# Altium PCB LOAPAY_V6.6.8.PcbDoc (part 2 of 2) (continued)
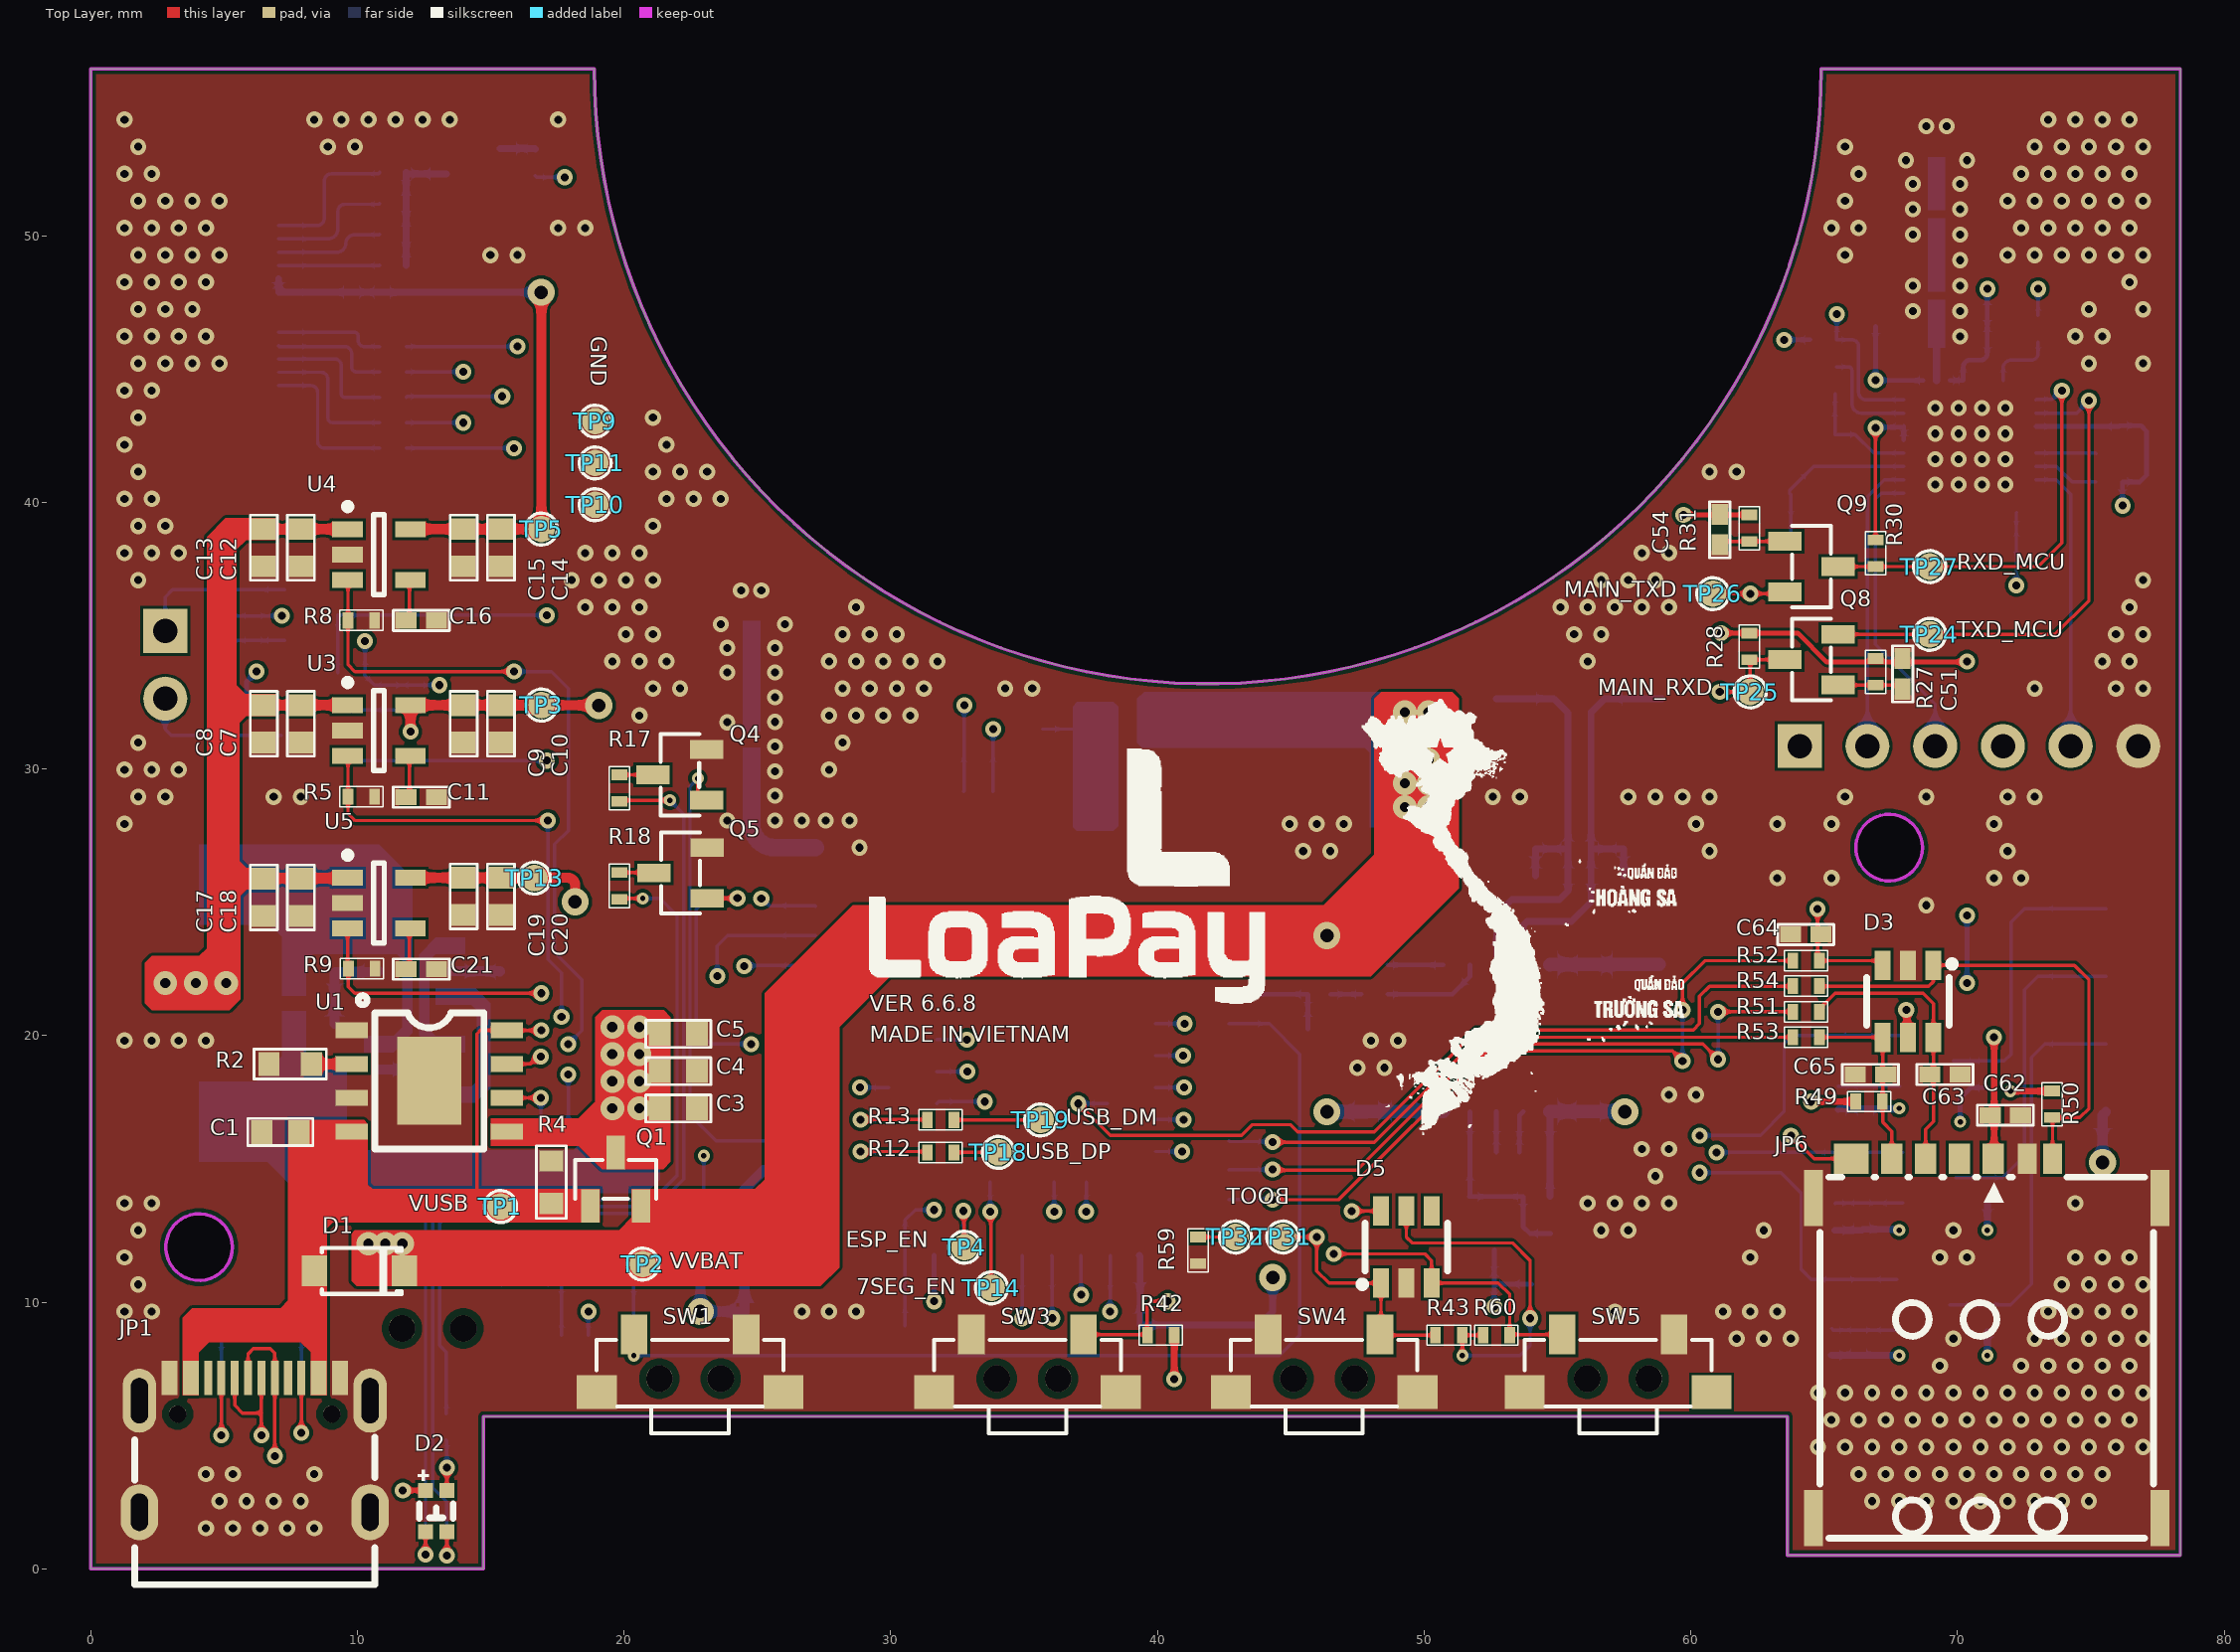
[diagram p0: Top Layer view]
## Nets (pads, with @x,y where several pads share a name; then routed paths per layer and width w, separated by ;. In a path a pad name is that pad's centre, name@x,y a point inside that pad or via, vN(x,y) a via of type N, cw(c..) or ccw(c..) an arc to the next point about the centre after c; other vN are vias at no path point) (continued)
  Layer 1 w0.127: v2(36.068,9.398) 36.703,8.763 50.419,8.763 52.832,11.176 59.182,11.176 61.976,13.97 61.976,31.115 61.087,32.004 v2(61.087,32.893)
  Bottom Layer w0.127: U6.17@36.028,11.751 36.048,11.731 36.048,9.418 v2(36.068,9.398)
NetQ9_2: Q9.2 TP26.1 U6.18 | length 57.7
  Top Layer w0.127: TP26.1@60.833,36.576 v2(62.23,36.576) 63.46,36.576 Q9.2@63.526,36.642
  Layer 1 w0.127: v2(34.925,9.398) 35.814,8.509 50.546,8.509 52.959,10.922 59.309,10.922 62.23,13.843 v2(62.23,36.576)
  Bottom Layer w0.127: v2(34.925,9.398) 34.927,9.4 U6.18@34.928,11.751 U6.18@34.928,11.751
NetQ10_1: Q10.1 R39.2 | length 1.3
  Bottom Layer w0.254: Q10.1@15.341,53.274 16.651,53.274 cw(c16.651,53.256) R39.2@16.669,53.256
NetQ10_3: Q10.3 R34.1 R35.1 R36.1 R37.1 | length 5
  Bottom Layer w0.254: R34.1@11.828,48.895 R35.1@11.828,50.058 R36.1@11.828,51.22 R37.1@11.828,52.383 ccw(c11.887,52.383) 11.887,52.324 Q10.3@13.341,52.324
NetQ11_2: Q11.2 TP28.1 U6.31 | length 63.2
  Layer 1 w0.127: v2(24.511,22.606) 25.019,22.098 30.607,22.098 32.004,20.701 32.004,17.145 33.528,15.621 38.735,15.621 39.37,14.986 39.37,9.779 39.878,9.271 50.184,9.271 52.597,11.684 58.801,11.684 60.325,13.208 v2(60.325,14.859)
  Bottom Layer w0.127: v2(24.511,22.606) 24.533,22.628 27.156,22.628 U6.31@27.178,22.651 ; v2(60.325,14.859) 63.373,14.859 64.135,14.097 64.135,11.237 64.516,10.856 Q11.2@67.723,10.856
NetQ12_2: Q12.2 TP29.1 U6.32 | length 64.1
  Layer 1 w0.127: v2(23.495,22.225) 23.876,21.844 30.48,21.844 31.75,20.574 31.75,17.018 33.401,15.367 38.608,15.367 39.116,14.859 39.116,9.652 39.751,9.017 50.292,9.017 52.705,11.43 59.055,11.43 60.96,13.335 v2(60.96,15.621)
  Bottom Layer w0.127: v2(23.495,22.225) 23.495,23.368 23.878,23.751 U6.32@27.178,23.751 ; v2(60.96,15.621) TP29.1@65.532,15.621 Q12.2@67.945,15.621
NetQ13_2: Q13.2 TP30.1 U6.33 | length 58.7
  Layer 1 w0.127: v2(25.146,25.146) 60.739,25.146 61.722,24.163 61.722,16.764 61.214,16.256 v2(60.325,16.256)
  Bottom Layer w0.127: v2(25.146,25.146) 25.182,25.146 25.457,24.872 27.158,24.872 U6.33@27.178,24.851 ; v2(60.325,16.256) 62.611,16.256 63.5,17.145 63.5,19.685 63.815,20 Q13.2@67.844,20
NetR2_2: R2.2 U1.2 | length 1.4
  Top Layer w0.381: R2.2@8.392,18.935 U1.2@9.789,18.935
NetR3_2: R3.2 U2.2 | length 1.8
  Bottom Layer w0.381: U2.2@13.495,22.418 13.499,22.415 15.337,22.415 R3.2@15.34,22.411
NetR5_2: R5.2 TP4.1 U3.3 U6.20 | length 42.2
  Top Layer w0.127: U3.3@9.634,30.497 9.648,30.483 R5.2@9.648,28.968 9.648,28.325 9.906,28.067 v2(17.145,28.067) ; v2(32.728,13.424) 32.747,13.405 32.747,12.084 TP4.1@32.766,12.065
  Layer 1 w0.127: v2(17.653,20.701) 18.288,21.336 30.226,21.336 31.242,20.32 31.242,16.764 32.728,15.278 v2(32.728,13.424)
  Bottom Layer w0.127: v2(17.145,28.067) 17.145,22.86 17.653,22.352 v2(17.653,20.701) ; U6.20@32.728,11.751 v2(32.728,13.424)
NetR8_2: R8.2 TP12.1 U4.3 U6.22 | length 52.5
  Top Layer w0.127: U4.3@9.634,37.095 9.648,37.081 R8.2@9.648,35.572 9.648,33.913 9.906,33.655 v2(15.875,33.655)
  Layer 1 w0.127: v2(17.907,19.685) 17.936,19.714 17.936,20.095 18.923,21.082 30.099,21.082 30.988,20.193 30.988,16.637 31.623,16.002 v2(31.623,13.462)
  Bottom Layer w0.127: v2(15.875,33.655) 17.272,33.655 17.907,33.02 17.907,27.686 17.399,27.178 17.399,23.114 18.415,22.098 18.415,20.193 v2(17.907,19.685) ; TP12.1@30.53,9.116 30.53,11.749 U6.22@30.528,11.751 30.536,11.76 30.536,13.081 30.917,13.462 v2(31.623,13.462)
NetR9_2: R9.2 TP14.1 U5.3 U6.57 | length 36.6
  Top Layer w0.127: U5.3@9.634,24.02 9.634,22.545 R9.2@9.662,22.516 9.662,21.834 9.906,21.59 v2(16.891,21.59) ; v2(33.728,13.389) 33.755,13.362 33.755,10.568 TP14.1@33.782,10.541
  Layer 1 w0.127: v2(16.891,21.59) 30.353,21.59 31.496,20.447 31.496,16.891 33.728,14.659 v2(33.728,13.389)
  Bottom Layer w0.127: v2(33.728,13.389) U6.57@33.728,14.501
NetR12_1: R12.1 TP18.1 | length 1.7
  Top Layer w0.127: R12.1@32.369,15.621 TP18.1@34.036,15.621
NetR13_1: R13.1 TP19.1 | length 3.3
  Top Layer w0.127: R13.1@32.369,16.837 TP19.1@35.62,16.837
NetR16_1: R16.1 U1.7 | length 30.2
  Top Layer w0.127: U1.7@15.606,18.935 16.473,18.935 16.748,19.21 v2(16.876,19.21)
  Layer 1 w0.127: v2(16.876,19.21) 16.876,18.557 17.653,17.78 17.653,15.621 18.288,14.986 22.479,14.986 v4(22.987,15.494)
  Bottom Layer w0.127: R16.1@13.335,5.826 13.335,8.128 13.081,8.382 13.081,12.954 13.462,13.335 22.352,13.335 22.987,13.97 v4(22.987,15.494)
NetR21_2: R21.2 U7.7 | length 3.8
  Bottom Layer w0.178: R21.2@48.641,21.551 51.065,21.551 51.718,22.204 U7.7@51.718,22.654
NetR22_2: R22.2 U7.6 | length 2.1
  Bottom Layer w0.178: R22.2@48.641,22.651 50.715,22.651 U7.6@50.718,22.654
NetR25_1: R25.1 U8.31 | length 4
  Bottom Layer w0.127: R25.1@65.473,45.085 65.913,45.085 cw(c65.913,44.958) 66.04,44.958 66.04,43.709 ccw(c66.399,43.709) 66.399,43.349 U8.31@67.987,43.349
NetR29_2: R29.2 U8.7 | length 2.5
  Bottom Layer w0.127: U8.7@71.715,44.577 71.715,45.045 cw(c72.009,45.045) 72.009,45.339 72.771,45.339 ccw(c72.771,45.593) 73.025,45.593 R29.2@73.025,46.007
NetR38_2: R38.2 U6.15 | length 23.5
  Layer 1 w0.127: v2(18.669,9.652) 19.812,10.795 35.56,10.795 36.703,9.652 v2(38.227,9.652)
  Bottom Layer w0.127: R38.2@18.653,8.763 18.653,9.636 v2(18.669,9.652) ; v2(38.227,9.652) U6.15@38.228,11.751
NetR39_1: R39.1 U6.54 | length 80.9
  Layer 1 w0.127: v2(17.78,52.197) 13.589,52.197 13.208,51.816 13.208,42.545 13.716,42.037 13.716,14.859 14.097,14.478 23.114,14.478 23.749,15.113 23.749,20.066 24.143,20.46 29.959,20.46 30.492,19.927 30.492,13.196 31.242,12.446 36.379,12.446 v2(37.333,13.4)
  Bottom Layer w0.127: R39.1@16.669,52.256 16.728,52.197 v2(17.78,52.197) ; U6.54@37.328,14.501 37.333,14.496 v2(37.333,13.4)
NetR44_1: R44.1 U1.6 U6.55 | length 37.8
  Top Layer w0.127: U1.6@15.606,17.665 v2(16.879,17.665)
  Layer 1 w0.127: v2(16.879,17.665) 17.399,17.145 17.399,15.494 18.161,14.732 22.987,14.732 23.495,15.24 23.495,20.193 24.068,20.766 30.034,20.766 30.735,20.065 30.735,13.335 31.37,12.7 34.413,12.7 35.115,13.402 v2(36.128,13.402)
  Bottom Layer w0.127: R44.1@16.867,16.617 16.879,16.629 v2(16.879,17.665) ; v2(36.128,13.402) U6.55@36.128,14.501
NetR51_1: R51.1 U6.12 | length 25.2
  Top Layer w0.127: v2(44.323,14.986) 44.358,14.951 47.487,14.951 52.221,19.685 60.452,19.685 v2(61.028,19.109) ; v2(61.028,20.896) R51.1@63.824,20.896
  Bottom Layer w0.127: U6.12@42.678,14.951 42.696,14.968 44.305,14.968 v2(44.323,14.986) ; v2(61.028,19.109) v2(61.028,20.896)
NetR52_1: R52.1 U6.13 | length 26.9
  Top Layer w0.127: v2(44.323,13.843) 46.793,13.843 52.381,19.431 59.309,19.431 v2(59.69,19.05) ; v2(59.69,20.955) 59.69,21.971 60.528,22.809 R52.1@63.824,22.809
  Bottom Layer w0.127: U6.13@42.678,13.851 42.682,13.847 44.319,13.847 v2(44.323,13.843) ; v2(59.69,19.05) v2(59.69,20.955)
NetR53_1: R53.1 U6.11 | length 22.8
  Top Layer w0.127: v2(44.323,16.002) 48.133,16.002 52.07,19.939 R53.1@63.824,19.939
  Bottom Layer w0.127: U6.11@42.678,16.051 42.703,16.027 44.298,16.027 v2(44.323,16.002)
NetR54_1: R54.1 U6.79 | length 31.5
  Top Layer w0.127: v2(37.032,17.451) 38.227,16.256 43.154,16.256 43.558,16.66 44.979,16.66 45.256,16.383 48.133,16.383 51.966,20.216 60.094,20.216 60.325,20.447 60.325,21.471 60.706,21.852 R54.1@63.824,21.852
  Bottom Layer w0.127: v2(37.032,17.451) U6.79@38.128,17.451
NetR55_1: R55.1 U6.49 | length 51.6
  Layer 1 w0.127: v2(15.875,42.037) 14.986,41.148 14.986,24.892 15.621,24.257 33.528,24.257 35.052,22.733 35.052,20.955 35.556,20.451 v2(41.017,20.451)
  Bottom Layer w0.127: R55.1@11.828,42.037 v2(15.875,42.037) ; U6.49@39.928,20.451 v2(41.017,20.451)
NetR56_1: R56.1 U6.51 | length 56
  Layer 1 w0.127: v2(15.433,43.977) 15.433,42.992 14.478,42.037 14.478,24.563 15.292,23.749 33.291,23.749 34.545,22.495 34.545,18.668 35.162,18.051 v2(41.004,18.051)
  Bottom Layer w0.127: R56.1@11.828,43.942 11.863,43.977 v2(15.433,43.977) ; U6.51@39.928,18.051 v2(41.004,18.051)
NetR57_1: R57.1 U6.52 | length 57
  Layer 1 w0.127: v2(13.97,44.895) 14.732,44.133 14.732,42.672 14.224,42.164 14.224,24.384 15.113,23.495 33.141,23.495 34.298,22.339 34.298,17.399 34.846,16.851 v2(40.981,16.851)
  Bottom Layer w0.127: R57.1@11.828,44.895 v2(13.97,44.895) ; U6.52@39.928,16.851 v2(40.981,16.851)
NetR58_1: R58.1 U6.50 | length 57.1
  Layer 1 w0.127: v2(16.002,45.847) 16.002,42.926 14.732,41.656 14.732,24.765 15.494,24.003 33.401,24.003 34.798,22.606 34.798,19.685 35.232,19.251 v2(40.968,19.251)
  Bottom Layer w0.127: R58.1@11.828,45.847 v2(16.002,45.847) ; U6.50@39.928,19.251 v2(40.968,19.251)
NetR59_2: R59.2 TP32.1 | length 1.4
  Top Layer w0.127: R59.2@41.529,12.446 TP32.1@42.926,12.446
NetR61_1: R61.1 U6.53 | length 55.2
  Layer 1 w0.127: v2(13.97,42.989) 13.97,24.257 14.986,23.241 33.009,23.241 34.04,22.21 34.04,17.272 34.69,16.623 39.257,16.623 40.229,15.651 v2(40.924,15.651)
  Bottom Layer w0.127: R61.1@11.828,42.989 v2@13.906,42.989 ; U6.53@39.928,15.651 v2(40.924,15.651)
OUTN: C34.1 C35.1 C41.2 C42.2 SP3.1 U7.9 | length 17.3
  Bottom Layer w0.254: U7.9@53.718,22.654 53.718,24.131 53.867,24.28 55.522,24.28 56.261,25.019 56.261,26.67 ; C41.2@56.261,25.989 56.261,26.67 ; C34.1@57.48,25.989 57.48,27.005 C42.2@56.261,27.005 ; SP3.1@58.928,32.639 56.769,32.639 56.261,32.131 C42.2@56.261,27.005 ; 56.261,26.67 C42.2@56.261,27.005
OUTP: C41.1 C42.1 C44.2 C45.2 SP4.1 U7.8 | length 17.4
  Bottom Layer w0.254: SP4.1@52.705,32.639 54.864,32.639 55.397,32.106 C42.1@55.397,27.005 ; U7.8@52.718,22.654 52.718,24.524 53.296,25.102 55.074,25.102 55.397,25.425 55.397,26.67 ; C44.2@54.178,25.989 54.178,27.005 C42.1@55.397,27.005 ; C41.1@55.397,25.989 55.397,26.67 ; 55.397,26.67 C42.1@55.397,27.005
RXD_MCU: Q9.3 R30.1 TP27.1 U8.9 | length 15.6
  Top Layer w0.127: Q9.3@65.526,37.592 R30.1@66.929,37.592 TP27.1@68.961,37.592 73.025,37.592 73.914,38.481 v2(73.914,44.196)
  Bottom Layer w0.127: U8.9@72.943,43.849 72.961,43.868 73.548,43.868 73.876,44.196 v2(73.914,44.196)
SD_HAA9811: Q7.3 R23.2 TP21.1 U7.4 | length 7.5
  Bottom Layer w0.178: U7.4@51.718,17.154 51.718,13.992 Q7.3@51.689,13.964 53.715,13.964 53.715,12.833 53.97,12.578 54.732,12.578 TP21.1@54.737,12.573
STATUS: Q4.1 U6.25 | length 18.8
  Top Layer w0.127: v4(22.762,29.648) 22.762,29.118 23.049,28.832 Q4.1@23.091,28.832
  Bottom Layer w0.127: v4(22.762,29.648) 22.762,29.641 22.472,29.351 22.472,17.025 23.446,16.051 U6.25@27.178,16.051
TXD_MCU: Q8.2 TP24.1 U8.10 | length 19.6
  Top Layer w0.127: Q8.2@65.532,35.052 TP24.1@68.961,35.052 73.66,35.052 74.93,36.322 v2(74.93,43.815)
  Bottom Layer w0.127: U8.10@72.943,43.349 74.464,43.349 v2(74.93,43.815)
USIM1_VDD: C62.1 D3.5 JP6.C1 R49.2 TP17.1 U6.14 | length 54.2
  Top Layer w0.254: v2(64.516,17.526) R49.2@66.183,17.526 ; v2(68.08,20.963) 68.113,20.93 68.113,19.972 D3.5@68.146,19.939 ; JP6.C1@71.347,15.385 71.374,15.412 71.374,17.018 v2(71.374,19.939)
  Layer 2 w0.254: v5(44.323,10.922) 65.278,10.922 66.167,11.811 66.167,17.526 ; v2(64.516,17.526) 66.167,17.526 ; v2(68.08,20.963) 68.08,20.718 68.072,20.71 68.072,19.939 ; v2(71.374,19.939) 68.072,19.939 ; 66.167,17.526 66.167,19.304 66.802,19.939 68.072,19.939
  Bottom Layer w0.254: U6.14@39.328,11.751 39.349,11.73 39.349,9.165 TP17.1@39.37,9.144 43.815,9.144 44.323,9.652 v5(44.323,10.922)
VBAT: C3.2 C4.2 C5.2 C6.2 Q1.3 R1.2 SP1.1 U1.5
  other v3: 19.558,17.272 20.574,17.272 19.558,18.288 20.574,18.288 19.558,19.304 20.574,19.304 19.558,20.32 20.574,20.32
VBAT-: C2.1 C6.1 Q2.3 SP2.1 U2.6
VBAT_M: R10.2 TP15.1 U6.42 U6.43 | length 2
  Bottom Layer w0.127: TP15.1@35.687,31.496 R10.2@37.719,31.496
VDD_7SEG: C19.2 C20.2 JP5.1 R41.2 R46.2 R48.2 TP13.1 U5.5 | length 95.3
  Top Layer w0.381: U5.5@11.984,25.92 C19.2@13.983,25.92 C20.2@15.38,25.92 17.895,25.92 cw(c17.895,25.654) 18.161,25.654 v5(18.161,25.019)
  Layer 2 w0.254: v4(70.104,16.764) 71.12,15.748 v4(71.12,12.7) ; v4(71.12,8.001) v4(71.12,12.7) ; v5(75.438,15.24) 75.438,13.208 74.93,12.7 v4(71.12,12.7)
  Layer 2 w0.635: v5(18.161,25.019) 19.805,23.375 43.187,23.375 44.577,24.765 50.934,24.765 52.324,23.375 74.542,23.375 75.438,22.479 v5(75.438,15.24)
  Bottom Layer w0.178: v4(70.104,16.764) 70.104,17.653 70.501,18.05 R48.2@71.12,18.05
  Bottom Layer w0.254: v4(71.12,8.001) R41.2@71.12,8.895 ; v4(71.12,12.7) R46.2@71.12,13.677
  Bottom Layer w0.381: v5(75.438,15.24) 75.438,17.018 JP5.1@75.565,17.145
VDD_ESP: C9.2 C10.2 C48.2 C49.2 C50.2 C55.2 C56.2 JP3.1 R19.2 R26.2 R29.1 R30.2 R32.2 TP3.1 U3.5 U8.1 U8.3 U8.4 U8.11 U8.17 U8.29 U8.30 | length 148.5
  Top Layer w0.127: R30.2@66.929,38.592 v2(66.929,42.799)
  Top Layer w0.381: v2(11.989,31.399) 11.989,32.392 U3.5@11.984,32.397 C9.2@13.983,32.397 C10.2@15.38,32.397 TP3.1@16.901,32.397 16.907,32.391 19.044,32.391 v5(19.05,32.385)
  Layer 2 w0.254: v2(6.223,33.655) 6.223,31.75 6.574,31.399 v2(11.989,31.399)
  Layer 2 w0.508: v2(63.5,46.101) 63.5,45.212 64.135,44.577 v2(66.929,44.577) v2(66.929,42.799) 66.929,36.885 ; JP3.1@64.084,30.861 64.084,35.636 65.333,36.885 66.929,36.885 ; v2(71.12,48.006) v2(73.025,48.006) 75.438,48.006 76.2,47.244 v2(76.2,39.878) 76.2,37.465 75.62,36.885 v2(72.208,36.885) 66.929,36.885
  Layer 2 w0.635: v5(19.05,32.385) 19.085,32.35 19.085,25.65 20.35,24.384 42.418,24.384 43.815,25.781 51.308,25.781 52.705,24.384 62.941,24.384 64.084,25.527 JP3.1@64.084,30.861
  Bottom Layer w0.127: v2(72.208,36.885) 72.208,38.438 72.208,39.622 U8.17@72.215,39.622 ; R29.1@73.025,47.007 v2(73.025,48.006)
  Bottom Layer w0.178: R19.2@5.842,32.265 5.842,33.274 v2(6.223,33.655) ; v2(63.5,46.101) R26.2@64.473,46.101 ; v2(66.929,42.799) 66.954,42.824 67.962,42.824 U8.30@67.987,42.849 U8.29@67.987,42.349 ; C48.2@66.929,46.609 v2(66.929,44.577) U8.1@68.715,44.577 ; U8.3@69.715,44.577 U8.4@70.215,44.577 70.215,45.069 cw(c70.485,45.069) 70.485,45.339 70.866,45.339 ccw(c70.866,45.593) 71.12,45.593 71.12,46.101 71.12,47.117 v2(71.12,48.006) ; U8.11@72.943,42.849 76.047,42.849 76.073,42.875 76.886,42.875 77.089,42.672 77.089,41.021 76.835,40.767 R32.2@76.184,40.767 76.184,39.894 v2(76.2,39.878)
VDD_EXT: C30.2 C31.2 C51.2 C54.2 C59.2 C60.2 C61.2 D4.5 D5.5 R14.2 R15.2 R20.2 R27.2 R28.2 R31.2 R40.2 R42.2 R43.2 R44.2 R45.2 R47.2 R50.2 R60.2 TP16.1 U6.24 | length 177.2
  Top Layer w0.127: D5.5@49.333,13.419 49.333,12.446 49.555,12.224 53.308,12.224 53.975,11.557 v2(53.975,9.398) ; v4(51.435,8.001) 51.435,8.755 R43.2@51.427,8.763 R60.2@52.213,8.763
  Top Layer w0.178: v2(59.727,39.534) R31.2@62.195,39.534 ; v2(61.133,35.098) R28.2@62.195,35.098 64.01,35.098 65.097,34.011 67.945,34.011 70.333,34.011 v2(70.358,34.036)
  Top Layer w0.254: v2(40.632,7.12) R42.2@40.632,8.763 ; v4(71.989,17.916) 71.993,17.92 73.553,17.92 R50.2@73.557,17.924
  Layer 2 w0.127: v2(7.171,35.746) 9.847,35.746 10.287,35.306 v2(10.287,34.798)
  Layer 2 w0.178: v2(59.727,39.534) 59.727,36.505 v2(61.133,35.098) ; v2(70.358,21.971) 71.501,21.971 71.989,21.483 v4(71.989,17.916) ; v2(70.358,24.511) v2(70.358,34.036)
  Layer 2 w0.254: v2(13.081,33.147) 13.081,19.812 14.351,18.542 v2(17.907,18.542) 17.907,11.811 18.415,11.303 22.225,11.303 22.86,10.668 v5(22.86,9.652) 22.86,8.509 23.358,8.011 40.64,8.011 ; v2(40.632,7.12) 40.64,7.128 40.64,8.011 ; v4(71.989,17.916) 68.462,17.916 v4(67.818,17.272) v4(67.818,12.7) v4(67.818,8.001) 60.198,8.001 59.69,8.509 55.626,8.509 55.118,8.001 v4(51.435,8.001) 51.425,8.011 40.64,8.011
  Bottom Layer w0.127: C30.2@5.08,35.746 v2(7.171,35.746) ; v2(10.287,34.798) 10.287,33.627 R15.2@10.271,33.612 10.271,33.512 10.636,33.147 12.192,33.147 v2(13.081,33.147) ; R44.2@17.867,16.617 17.907,16.657 v2(17.907,18.542) ; v4(51.435,8.001) 53.594,8.001 53.975,8.382 v2(53.975,9.398)
  Bottom Layer w0.178: v2(70.358,21.971) v2(70.358,24.511)
  Bottom Layer w0.254: R40.2@65.278,8.017 65.286,8.009 67.81,8.009 v4(67.818,8.001) ; R45.2@65.405,12.7 66.421,12.7 66.459,12.738 67.78,12.738 v4(67.818,12.7) ; C61.2@65.526,17.229 65.547,17.25 67.796,17.25 v4(67.818,17.272)
  Bottom Layer w0.381: D4.5@20.385,11.648 22.388,11.648 22.86,11.176 v5(22.86,9.652) TP16.1@24.511,9.652 24.511,14.224 25.238,14.951 U6.24@27.178,14.951
VDD_LCD: C14.2 C15.2 C57.2 C58.2 JP4.9 JP4.10 TP5.1 U4.5 | length 24.2
  Top Layer w0.381: U4.5@11.984,38.995 11.987,38.998 16.898,38.998 TP5.1@16.901,39.001 16.901,47.869 v5(16.891,47.879)
  Bottom Layer w0.254: JP4.10@7.046,48.383 JP4.9@7.046,47.883 10.922,47.883 10.922,47.879 v5(16.891,47.879)
VUSB: C1.2 D1.2 JP1.A4 Q1.1 R4.2 TP1.1 U1.4 U1.8 U6.61 | length 25.4
  Top Layer w0.127: 14.478,13.97 14.478,20.066 14.617,20.205 U1.8@15.606,20.205 15.617,20.193 v2(16.891,20.193)
  Layer 2 w0.127: v2(16.891,20.193) 16.891,20.792 17.435,21.336 28.321,21.336 28.846,20.811 v2(28.846,18.051)
  Bottom Layer w0.127: v2(28.846,18.051) U6.61@29.928,18.051
VVBAT: C7.2 C8.2 C12.2 C13.2 C17.2 C18.2 C22.2 C23.2 C24.2 C25.2 C26.2 C27.1 C38.2 C39.2 C40.2 D1.1 D2.3 Q1.2 R10.1 R23.1 TP2.1 U3.1 U4.1 U5.1 U7.1 U7.5 | length 48.1
  Top Layer w0.178: v2(11.705,2.942) D2.3@12.554,2.942
  Top Layer w0.381: C17.2@6.487,25.883 6.506,25.901 9.615,25.901 U5.1@9.634,25.92 ; C8.2@6.487,32.397 C7.2@7.884,32.397 U3.1@9.634,32.397 ; C13.2@6.487,39.001 6.49,38.998 9.631,38.998 U4.1@9.634,38.995
  Layer 2 w0.254: v2(11.705,2.942) 11.705,5.066 12.827,6.188 12.827,12.065
  Layer 2 w0.762: v5(46.355,23.749) v5(46.355,17.145) v5(57.531,17.145)
  Bottom Layer w0.254: U7.1@54.718,17.154 54.719,17.152 54.719,13.972 R23.1@54.721,13.97
  Bottom Layer w0.508: v5(46.355,17.145) 47.825,17.145 C40.2@47.839,17.159 47.842,17.157 50.715,17.157 U7.5@50.718,17.154 ; U7.1@54.718,17.154 54.719,17.155 56.143,17.155 C39.2@56.144,17.157 57.519,17.157 v5(57.531,17.145)
  other v3: 10.414,12.192 11.049,12.192 11.684,12.192 2.794,21.971 3.937,21.971 5.08,21.971 49.276,28.575 50.165,28.575 49.276,29.464 50.165,29.464 49.276,30.353 50.165,30.353 49.276,31.242 50.165,31.242 49.276,32.131 50.165,32.131
pads on no net: D4.3 D4.4 D5.4 JP1. JP1.A8 JP1.B8 JP4.7 JP4.15 JP4.16 JP4.17 JP4.18 JP6.C6 SW1. SW2. SW3. SW4. SW5. SW5.3 U2.4 U6.2 U6.3 U6.4 U6.8 U6.9 U6.19 U6.23 U6.26 U6.28 U6.29 U6.30 U6.44 U6.56 U6.58 U6.62 U6.63 U6.64 U6.65 U6.66 U6.67 U6.68 U6.69 U6.74 U6.75 U6.76 U6.77 U6.78 U6.80 U6.81 U6.85 U6.86 U6.87 U6.96 U6.97 U6.98 U6.99 U6.100 U6.101 U6.102 U6.103 U6.104 U6.105 U6.106 U6.107 U6.108 U6.109 U8.5 U8.6 U8.8 U8.12 U8.16 U8.18 U8.19 U8.20 U8.21 U8.22 U8.23 U8.24

## Polygon pours and split planes (outlines as drawn)
GND on Layer 1 "GND_L02_P001" (solid, pour order 1): 0,0 0,56.261 18.889,56.261 18.889,56.262 ccw(c41.889,56.195) 64.889,56.262 64.889,56.261 78.359,56.261 78.359,0.508 63.627,0.508 63.627,5.715 14.732,5.715 14.732,0
GND on Top Layer "GND_L01_P000" (solid, pour order 0): 0,0 0,56.261 18.889,56.261 18.889,56.262 ccw(c41.889,56.195) 64.889,56.262 64.889,56.261 78.359,56.261 78.359,0.508 63.627,0.508 63.627,5.715 14.732,5.715 14.732,0
GND on Bottom Layer "GND_L04_P002" (solid, pour order 2): 0,0 0,56.261 18.889,56.261 18.889,56.262 ccw(c41.889,56.195) 64.889,56.262 64.889,56.261 78.359,56.261 78.359,0.508 63.627,0.508 63.627,5.715 14.732,5.715 14.732,0

## Keep-outs
Keep-Out Layer:
  circle w0.127: c67.437,27.051 r1.25
  circle w0.127: c4.064,12.065 r1.25
  lines w0.127: 18.889,56.261 0,56.261 0,0 14.732,0 14.732,5.715 63.627,5.715 63.627,0.508 78.359,0.508 78.359,56.261 64.889,56.261 ; 18.889,56.262 ccw(c41.889,56.195) 64.889,56.262

## Other copper
Top Layer:
  region net VVBAT: 20.285,12.7 20.285,13.173 19.812,12.7
  region net VBAT: 18.923,20.701 19.177,20.955 21.488,20.955 21.742,20.701
  region net VVBAT: 48.387,32.893 51.054,32.893 51.308,32.639 51.308,25.527 48.006,22.225 29.972,22.225 28.067,20.32 28.067,11.303 27.365,10.601 22.285,10.601 22.86,11.176 22.86,14.24 24.908,14.24 25.273,14.605 25.273,21.59 28.575,24.892 46.228,24.892 48.133,26.797 48.133,32.639
  region net VVBAT: 4.352,25.9 4.352,23.275 4.064,22.987 2.286,22.987 2.032,22.733 2.032,21.209 2.286,20.955 5.207,20.955 5.615,21.363 5.615,25.235 5.856,25.476 4.775,25.476
  region net VVBAT: 11.292,10.601 9.973,10.601 9.779,10.795 9.779,12.573 9.906,12.7 13.335,12.7 13.462,12.573 13.462,11.938 13.649,11.751 11.292,11.751
  region net VVBAT: 6.937,26.289 5.842,26.289 5.574,26.557 5.574,31.736 5.828,31.99 6.937,31.99 6.937,32.803 5.805,32.803 5.461,33.147 5.461,38.227 5.828,38.594 6.937,38.594 6.937,39.407 5.059,39.407 4.352,38.701 4.352,25.9 4.775,25.476 6.937,25.476
  region net VBAT: 15.006,15.875 18.288,15.875 18.923,15.24 19.173,14.99 21.467,14.99 21.742,15.265 21.742,20.701 18.923,20.701 18.923,17.526 18.288,16.891 15.006,16.891
  region net VUSB: 19.085,12.99 9.079,12.99 8.857,12.767 8.857,11.751 7.405,11.751 7.405,16.833 10.251,16.833 10.389,16.695 10.389,14.42 10.569,14.24 19.085,14.24
  region net VVBAT: 11.292,10.601 22.285,10.601 22.86,11.176 22.86,14.24 20.285,14.24 20.285,12.7 11.292,12.7
  region net VUSB: 8.25,6.511 8.857,6.511 8.857,11.751 7.405,11.751 7.405,10.072 7.112,9.779 3.81,9.779 3.45,9.419 3.45,6.511 4.05,6.511 4.05,8.114 4.445,8.509 7.874,8.509 8.25,8.133
Layer 2:
  region net VVBAT: 13.208,13.462 13.462,13.208 13.462,11.811 13.208,11.557 6.223,11.557 5.715,12.065 5.715,20.574 5.334,20.955 2.286,20.955 2.032,21.209 2.032,22.733 2.286,22.987 7.366,22.987 7.747,22.606 7.747,13.843 8.128,13.462
Bottom Layer:
  region net NetAT2_1: 68.885,52.959 68.885,50.958 69.545,50.958 69.545,52.959
  region net NetC52_2: 68.885,50.658 68.885,47.91 69.545,47.91 69.545,50.658
  region net NetC53_2: 68.885,47.61 68.885,45.801 69.545,45.801 69.545,47.61
  region net NetAT1_1: 24.451,35.56 24.451,31.407 25.111,31.407 25.111,35.56
  region net NetC28_2: 25.111,28.449 25.111,30.807 24.451,30.807 24.451,28.449
  pour cut-out: 72.618,44.252 72.618,39.947 68.312,39.947 68.312,44.252
  pour cut-out: 71.215,45.801 71.215,44.252 66.929,44.252 66.929,45.801
  pour cut-out: 69.655,47.91 69.655,47.61 68.775,47.61 68.775,47.91
  pour cut-out: 69.655,50.958 69.655,50.658 68.775,50.658 68.775,50.958
  pour cut-out: 25.221,31.407 24.341,31.407 24.341,30.807 25.221,30.807
  region net VBAT: 9.594,15.69 9.594,16.441 10.345,15.69
  region net VBAT: 18.923,20.574 19.304,20.955 20.955,20.955 21.336,20.574 21.336,14.605 20.828,14.097 7.783,14.097 6.616,15.264 9.168,15.264 9.594,15.69 18.103,15.69 18.923,16.51
  region net VBAT-: 10.245,19.38 11.345,19.38 12.065,20.1 12.065,25.908 11.345,26.628 11.345,23.068 11.476,23.068 11.684,22.86 11.684,20.319 11.345,19.98 10.245,19.98
  region net NetQ2_4: 14.045,19.38 14.045,19.98 12.945,19.98 12.7,20.225 12.7,22.823 12.945,23.068 14.045,23.068 14.045,23.668 12.945,23.668 12.319,23.042 12.319,20.006 12.945,19.38
  region net NetQ2_6: 12.945,21.768 12.945,21.168 14.265,21.168 14.478,20.955 14.478,18.288 14.27,18.08 12.945,18.08 12.945,17.48 14.432,17.48 14.986,18.034 14.986,21.209 14.427,21.768
  region net VBAT-: 8.07,21.503 7.17,21.503 7.17,23.691 6.707,24.154 4.064,24.154 4.064,27.154 10.819,27.154 11.345,26.628 11.345,23.068 8.336,23.068 8.07,22.802
  region net VBAT: 4.064,18.264 6.199,18.264 7.17,19.235 7.17,20.916 8.07,20.916 8.07,19.235 8.382,18.923 8.39,18.931 9.594,18.931 9.594,15.69 9.168,15.264 4.064,15.264
  region net VVBAT: 39.433,30.797 47.776,30.797 47.964,30.61 47.964,27.81 49.064,27.81 49.067,27.813 50.546,27.813 50.8,28.067 50.8,32.639 50.546,32.893 39.497,32.893 39.243,32.639 39.243,30.988
  region net VBAT_M: 36.828,27.815 36.957,27.686 38.354,27.686 38.528,27.86 38.528,32.338 38.354,32.512 36.988,32.512 36.828,32.352

## Silkscreen, mask and mechanical layers (free items; w line width, h text height)
Top Overlay:
  drawing of 96 lines, arcs and shapes, not listed
  text "GND" at 18.553,46.228 h1.02 r270
  text "RXD_MCU" at 69.977,37.264 h1.02
  text "MAIN_TXD" at 55.245,36.248 h1.02
  text "TXD_MCU" at 69.977,34.724 h1.02
  text "MAIN_RXD" at 56.515,32.565 h1.02
  text "VER 6.6.8" at 29.211,20.712 h1.02
  text "MADE IN VIETNAM" at 29.21,19.558 h1.02
  text "USB_DM" at 36.576,16.436 h1.02
  text "USB_DP" at 35.052,15.166 h1.02
  text "BOOT" at 44.958,13.473 h1.02
  text "VUSB" at 11.939,13.219 h1.02
  text "ESP_EN" at 28.321,11.864 h1.02
  text "VVBAT" at 21.718,11.049 h1.02
  text "7SEG_EN" at 28.702,10.086 h1.02
Bottom Overlay:
  lines w0.127: 74.803,9.525 77.978,9.525 77.978,15.494 74.803,15.494 74.803,9.525
  lines w0.254: 71.564,26.352 72.517,27.305 71.564,28.258 71.564,26.352 ; 75.882,33.465 77.787,33.465 76.835,32.512 75.882,33.465
  text "GND" at 18.553,41.656 h1.02 r270
  text "RXD" at 1.27,36.068 h1.02 r90
  text "TXD" at 1.27,33.528 h1.02 r90
  text "VBAT_MODULE" at 34.543,31.168 h1.02
  text "SPKN" at 54.627,30.734 h1.52 r270
  text "SPKP" at 60.85,30.734 h1.52 r270
  text "BAT-" at 5.588,27.813 h1.52
  text "SPKP" at 44.461,25.019 h1.02 r270
  text "SCLK" at 67.437,20.839 h1.02
  text "BAT+" at 5.588,18.923 h1.52
  text "SPKN" at 46.863,18.426 h1.02
  text "RCLK" at 64.389,15.378 h1.02
  text "GND" at 77.597,14.489 h1.02
  text "SCLK" at 77.597,13.344 h1.02
  text "HAA_SD" at 59.182,12.245 h1.02
  text "RCLK" at 77.597,12.199 h1.02
  text "DIO" at 77.597,11.054 h1.02
  text "DIO" at 64.516,10.425 h1.02
  text "AMP_SD" at 58.674,10.34 h1.02
  text "3V3" at 77.597,9.917 h1.02
  text "USIM1" at 38.481,8.774 h1.02
  text "VDD_EXT" at 26.669,8.181 h1.02
  text "LCD_EN" at 32.512,7.673 h1.02